# Altium PCB SolderingStation.PcbDoc (part 1 of 2) (continued)
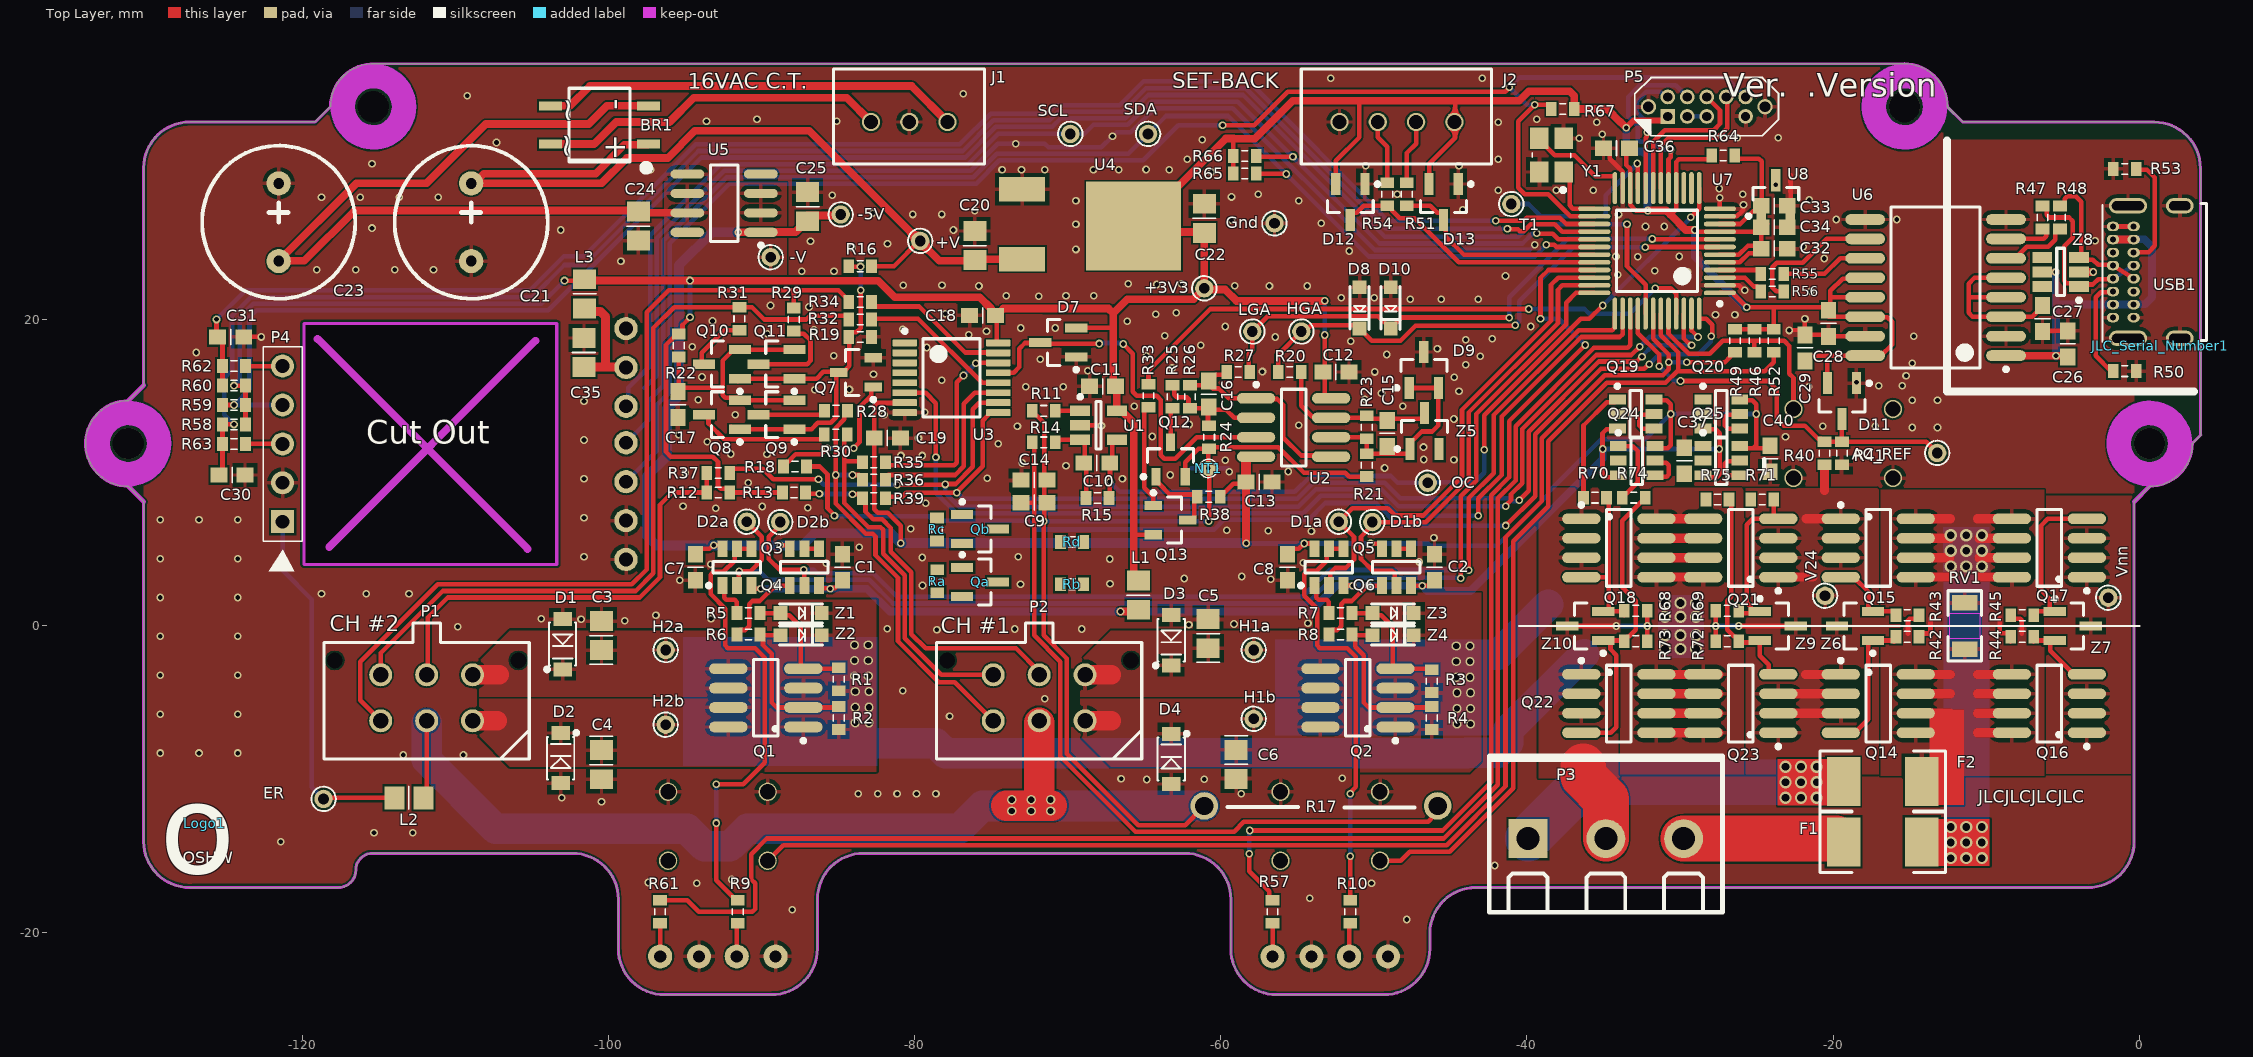
[diagram p0: Top Layer view]
## Footprints (in the part's own frame and the unit in brackets; to place one, negate y for a bottom-side part, rotate by r counter-clockwise, add the part's x,y. Pads: shape width x height; smd on the part's side, far side on the other; paste and mask are expansions set on the pad)
CC2012-0805 [mm]
  rect 1.3x1.5 smd: 1(-0.95,0) 2(0.95,0)
  silkscreen extent -1.87,-0.75 0,0.75, body extent -1,-0.62 1,0.63, height 0.78
CCNP1608-0603 [mm]
  rect 1.1x1 smd: 1(-0.85,0) 2(0.85,0)
  silkscreen extent 0,-0.5 0,0.5, body extent -0.8,-0.4 0.8,0.4, height 0.3
CCNP2012-0805 [mm]
  rect 1.3x1.5 smd: 1(-0.95,0) 2(0.95,0)
  silkscreen extent 0,-0.75 0,0.75, body extent -1,-0.62 1,0.63, height 0.78
CF6125-2410_M [mm] "SMT Fuse"
  rect 2.2x3.2 smd: 1(-2.55,0) 2(2.55,0)
  silkscreen extent -4.1,-2 4.1,2, body extent -3.05,-1.27 3.05,1.27, height 2.54
CR1608-0603_N [mm]
  rect 0.7x0.9 smd: 1(-0.75,0) 2(0.75,0)
  silkscreen extent -0.2,-0.35 0.2,0.35, body extent -0.85,-0.4 0.85,0.4, height 0.56
Crystal_SMD_3.2x2.5 [mm] "Crystal SMT low profile 3.2 x 2.5 SMD"
  rect 1.4x1.2 smd: 1(-1.1,-0.8) 2(1.1,-0.8) 3(1.1,0.8) 4(-1.1,0.8)
  silkscreen extent -2.39,-1.25 0.15,1.25, body extent -1.55,-1.24 1.65,1.26, height 0.7
FB2012-0805 [mm] "Ferrite Bead 0805"
  rect 1.3x1.5 smd: 1(-0.95,0) 2(0.95,0)
  silkscreen extent 0,-0.75 0,0.75, body extent -1,-0.62 1,0.63, height 0.85
HDR1X5S [mm] "Header; 5 Position; Straight"
  rect 1.5x1.5 hole 0.9: 1(0,0)
  round 1.5 hole 0.9: 2(2.54,0) 3(5.08,0) 4(7.62,0) 5(10.16,0)
  silkscreen extent -3.24,-1.27 11.43,1.27, body extent -1.27,-1.27 11.43,1.27, height 6
JLC_Serial_Number [mm] "JLC Serial Number"
JST-B3B-XH-AX [mm] "JST 3-pin connector PCB mount"
  round 1.2 hole 0.9: 1(-2.5,0) 2(0,0) 3(2.5,0)
  silkscreen extent -4.92,-3.45 4.95,2.75, body extent -4.95,-3.37 4.95,2.72, height 7
jst-b4b-xh-ax [mm] "JST 4-pin connector PCB mount"
  round 1.2 hole 0.9: 1(-3.75,0) 2(-1.25,0) 3(1.25,0) 4(3.75,0)
  silkscreen extent -6.17,-3.45 6.25,2.75, body extent -6.2,-3.37 6.2,2.72, height 7
"LED3MM-GREEN - 10MM PROUD" [mil] "LED 3mm through-hole"
  round 62 hole 31.5: A(-50,0) K(50,0)
  silkscreen extent -58,-75 53,75, body extent -75,-75 63,75, height 413
"LED3MM-RED - 10MM PROUD" [mil] "LED 3mm through-hole"
  round 62 hole 31.5: A(-50,0) K(50,0)
  silkscreen extent -58,-75 53,75, body extent -75,-75 63,75, height 413
MB1S [mm] "Bridge Rectifier Diode, Single Phase, 100 V, 800 mA, SOIC, 1.1 V, 4 Pins"
  rect 1.5x0.6 smd: 1(-3.2,1.25) 2(-3.2,-1.25) 3(3.2,-1.25) 4(3.2,1.25)
  silkscreen extent -3.25,-2.4 2,2.99, body extent -3.5,-2.35 3.5,2.35, height 2.4
MOLEX-39544-3003 [mm] "Wire-To-Board Terminal Block"
  rect 2.54x2.54 hole 1.5: 1(0,0)
  round 2.54 hole 1.5: 2(0,5.08) 3(0,10.16)
  silkscreen extent -5.4,-2.54 4.83,12.7, body extent -5.08,-2.54 4.83,12.7, height 14.6
MOLEX-43045-0612 [mm] "Wire-To-Board Connector, With Polarizing Peg, 3 mm, 6 Contacts, Header, Micro-Fit 3.0 43045 Series"
  round 0.8 hole 1.02: 0(-6,2.44) 0(6,2.44)
  round 1.5 hole 1.02: 1(3,-1.5) 2(0,-1.5) 3(-3,-1.5) 4(3,1.5) 5(0,1.5) 6(-3,1.5)
  silkscreen extent -6.7,-4 6.7,4.9, body extent -6.57,-3.94 6.58,4.83, height 9.95
NETTIEVIA [mm] "Net Tie (Short)"
  round 1 smd far side: 1(0,0)
  round 1 smd: 2(0,0)
  silkscreen extent -0.6,-0.6 0.6,0.6
OAR3-R050FI [mm] "Current Sense Resistor, 0.05 ohm, OAR Series, 3 W, Metal Strip, Radial Leaded, ± 1%"
  round 1.8 hole 1.2: 1(-7.62,0) 2(7.62,0)
  body extent -8.25,-0.82 8.23,0.83, height 24.21
"OLED_Display_128x64_2.4inch - no mounting holes" [mm] "2.4 inch OLED Display"
  round 1.524 hole 0.9: 1(-33.5,7.572) 2(-33.5,5.032) 3(-33.5,2.492) 4(-33.5,-0.048) 5(-33.5,-2.428) 6(-33.5,-4.968) 7(-33.5,-7.508)
  silkscreen extent -36,-21.5 36,21.5, body extent -35.99,-21.45 36.01,21.55, height 6.4
OSHW [mm] "OSHW Logo"
"PCBPIN - 0.7mm" [mm]
  round 1.2 hole 0.7: 1(0,0)
  silkscreen extent -0.8,-0.8 0.8,0.8
RB5/10x13mm [mil]
  round 62 hole 28: 1(-100,0) 2(100,0)
  silkscreen extent -197,-197 197,197, body extent -197,-197 197,197, height 512
SO-8_M [mm] "8-Pin Small Outline Integrated Circuit 1.27 mm Pitch, IPC Low Density"
  oval 0.7x2.5 smd: 1(-1.905,-2.45) 2(-0.635,-2.45) 3(0.635,-2.45) 4(1.905,-2.45) 5(1.905,2.45) 6(0.635,2.45) 7(-0.635,2.45) 8(-1.905,2.45)
  silkscreen extent -2.93,-2.57 2.5,0.8, body extent -2.5,-3.1 2.5,3.1, height 1.75
SOD-123FL [mil] "SOD-123-Flat , 2-Leads, Body 2.7x1.65mm"
  rect 36x48 smd: A(64.5,0) K(-64.5,0)
  silkscreen extent -70,-35 55,45, body extent -71,-32 71,32, height 37
SOD-323 [mm]
  rect 0.9x0.9 smd: A(1.347,0.004) K(-1.353,0.004)
  silkscreen extent -1.4,-0.6 1.4,0.64, body extent -1.35,-0.62 1.35,0.63, height 1.1
SOIC127P600-8M [mm] "SOIC, 8-Leads, Body 4.9x3.9mm, Pitch 1.27mm, IPC Low Density"
  oval 2.5x0.7 smd: 1(-2.45,1.905) 2(-2.45,0.635) 3(-2.45,-0.635) 4(-2.45,-1.905) 5(2.45,-1.905) 6(2.45,-0.635) 7(2.45,0.635) 8(2.45,1.905)
  silkscreen extent -2.57,-2.5 0.8,2.93, body extent -3.06,-2.5 3.14,2.5, height 1.75
SOIC127P600-8N [mm] "SOIC, 8-Leads, Body 4.9x3.9mm, Pitch 1.27mm, IPC Medium Density"
  oval 0.6x2.2 smd: 1(-1.905,-2.4) 2(-0.635,-2.4) 3(0.635,-2.4) 4(1.905,-2.4) 5(1.905,2.4) 6(0.635,2.4) 7(-0.635,2.4) 8(-1.905,2.4)
  silkscreen extent -2.88,-2.53 2.5,0.9, body extent -2.5,-3.06 2.5,3.14, height 1.75
SOIC127P1030-16M [mm] "SOIC, 16-Leads, Body 10.3x7.5mm, Pitch 1.27mm, IPC Low Density"
  oval 2.6x0.7 smd: 1(-4.6,4.445) 2(-4.6,3.175) 3(-4.6,1.905) 4(-4.6,0.635) 5(-4.6,-0.635) 6(-4.6,-1.905) 7(-4.6,-3.175) 8(-4.6,-4.445) 9(4.6,-4.445) 10(4.6,-3.175) 11(4.6,-1.905) 12(4.6,-0.635) 13(4.6,0.635) 14(4.6,1.905) 15(4.6,3.175) 16(4.6,4.445)
  silkscreen extent -4.72,-5.25 2.9,5.47, body extent -5.31,-5.25 5.32,5.25, height 2.62
SOT23-5_M [mm] "SOT23, 5-Leads, Body 2.9x1.6mm, Pitch 0.95mm, Lead Span 2.7mm, IPC Low Density"
  rect 1.3x0.7 smd: 1(1.2,-0.95) 2(1.2,0) 3(1.2,0.95) 4(-1.2,0.95) 5(-1.2,-0.95)
  silkscreen extent -0.15,-1.97 1.32,1.55, body extent -1.4,-1.45 1.4,1.45, height 1.45
SOT23_M [mm] "SOT23, 3-Leads, Body 2.9x1.3mm, Pitch 0.95mm, Lead Span 2.3mm - IPC Low Density"
  rect 1.45x0.6 smd: 1(1.175,-0.95) 2(1.175,0.95) 3(-1.175,0)
  silkscreen extent -0.7,-1.9 1.29,1.5, body extent -1.25,-1.5 1.25,1.5, height 1.05
SOT23_N [mm] "SOT23, 3-Leads, Body 2.9x1.3mm, Pitch 0.95mm, Lead Span 2.3mm - IPC Medium Density"
  rect 1.15x0.6 smd: 1(1.125,-0.95) 2(1.125,0.95) 3(-1.125,0)
  silkscreen extent -0.7,-1.9 1.25,1.5, body extent -1.25,-1.5 1.25,1.5, height 1.05
"SOT457_M - 180" [mm] "SOT23, 6-Leads, Body 2.9x1.5mm, Pitch 0.95mm, Lead Span 2.8mm, IPC Low Density"
  rect 1.3x0.7 smd: 1(1.2,-0.95) 2(1.2,0) 3(1.2,0.95) 4(-1.2,0.95) 5(-1.2,0) 6(-1.2,-0.95)
  silkscreen extent -0.25,-1.97 1.33,1.55, body extent -1.5,-1.4 1.34,1.5, height 1.21
SOT457_N [mm] "SOT23, 6-Leads, Body 2.9x1.5mm, Pitch 0.95mm, Lead Span 2.8mm, IPC Medium Density"
  rect 1.1x0.65 smd: 1(-1.2,0.95) 2(-1.2,0) 3(-1.2,-0.95) 4(1.2,-0.95) 5(1.2,0) 6(1.2,0.95)
  silkscreen extent -1.32,-1.55 0.38,1.95, body extent -1.34,-1.5 1.5,1.4, height 1.21
"SPACER-2MM DIA X 6MM" [mm]
  round 2 hole 2.05: 0(0,0)
  Top Layer keep-out circle w1.6: c0,0 r2
  Bottom Layer keep-out circle w1.6: c0,0 r2
  silkscreen extent -3,-3 3,3, body extent -3,-3 3,3, height 6
SW-CAP-B32-2010 [mm] "Switch cap for small push-button switch 6mm dia."
  silkscreen extent -3,-3 3,3, body extent -3,-3 3,3, height 10
SW_MIN_PB-B3F1052 [mm] "Miniature PCB Push Button projected plunger"
  round 1.2 hole 1: 1(3.25,-2.25) 1b(-3.25,-2.25) 2(3.25,2.25) 2b(-3.25,2.25)
  silkscreen extent -3,-2.77 3,2.78, body extent -3.85,-3 3.85,3, height 6.7
SWD-2x5-Jig-Header [mm] "Connector; SWD; 2x5 Position"
  round 1 hole 0.7: 0(-1.27,0.635) 0(6.35,0.635)
  rect 0.96x0.96 hole 0.6: 1(0,0)
  round 0.96 hole 0.6: 2(0,1.27) 3(1.27,0) 4(1.27,1.27) 5(2.54,0) 6(2.54,1.27) 8(3.81,1.27) 9(5.08,0) 10(5.08,1.27)
  silkscreen extent -2.16,-1.26 7.24,2.53, body extent -0.63,-1.09 5.72,2.31, height 4.5
TO-252 [mm] "TO-252 Package"
  rect 3x1.6 smd: 1(3.64,-2.285) 3(3.64,2.285)
  rect 6.2x5.8 smd: 4(-3.64,0.127)
  body extent -5.71,-3.14 4.23,3.4, height 2.29
TSQFP50P900X900-48M [mm] "Thin QFP, 48-Leads, Body 7x7mm, Pitch 0.5mm, IPC Low Density"
  oval 0.3x2.1 smd: 1(-2.75,-4.1) 2(-2.25,-4.1) 3(-1.75,-4.1) 4(-1.25,-4.1) 5(-0.75,-4.1) 6(-0.25,-4.1) 7(0.25,-4.1) 8(0.75,-4.1) 9(1.25,-4.1) 10(1.75,-4.1) 11(2.25,-4.1) 12(2.75,-4.1) 25(2.75,4.1) 26(2.25,4.1) 27(1.75,4.1) 28(1.25,4.1) 29(0.75,4.1) 30(0.25,4.1) 31(-0.25,4.1) 32(-0.75,4.1) 33(-1.25,4.1) 34(-1.75,4.1) 35(-2.25,4.1) 36(-2.75,4.1)
  oval 2.1x0.3 smd: 13(4.1,-2.75) 14(4.1,-2.25) 15(4.1,-1.75) 16(4.1,-1.25) 17(4.1,-0.75) 18(4.1,-0.25) 19(4.1,0.25) 20(4.1,0.75) 21(4.1,1.25) 22(4.1,1.75) 23(4.1,2.25) 24(4.1,2.75) 37(-4.1,2.75) 38(-4.1,2.25) 39(-4.1,1.75) 40(-4.1,1.25) 41(-4.1,0.75) 42(-4.1,0.25) 43(-4.1,-0.25) 44(-4.1,-0.75) 45(-4.1,-1.25) 46(-4.1,-1.75) 47(-4.1,-2.25) 48(-4.1,-2.75)
  silkscreen extent -3.57,-4.22 2.65,2.65, body extent -4.5,-4.55 4.5,4.45, height 1.6
TSSOP16_M [mm] "SOP, 16-Leads, Body 5.1x4.5mm, Pitch 0.65mm, IPC Low Density"
  rrect22% 1.6x0.45 smd: 1(-3.05,2.275) 2(-3.05,1.625) 3(-3.05,0.975) 4(-3.05,0.325) 5(-3.05,-0.325) 6(-3.05,-0.975) 7(-3.05,-1.625) 8(-3.05,-2.275) 9(3.05,-2.275) 10(3.05,-1.625) 11(3.05,-0.975) 12(3.05,-0.325) 13(3.05,0.325) 14(3.05,0.975) 15(3.05,1.625) 16(3.05,2.275)
  silkscreen extent -3.17,-2.55 1.85,3.17, body extent -3.2,-2.5 3.2,2.5, height 1.1
USB4085-GF-A [mm] "USB-C Connector"
  oval 0.8x0.62 hole 0.4: A1(2.18,2.975) A4(2.18,2.125) A5(2.18,1.275) A6(2.18,0.425) A7(2.18,-0.425) A8(2.18,-1.275) A9(2.18,-2.125) A12(2.18,-2.975) B1(0.83,-2.975) B4(0.83,-2.125) B5(0.83,-1.275) B6(0.83,-0.425) B7(0.83,0.425) B8(0.83,1.275) B9(0.83,2.125) B12(0.83,2.975)
  oval 1.8x1 hole 0.6 slot 1.4 at 0 deg: SH(-2.18,4.325) SH(-2.18,-4.325)
  oval 2.5x1 hole 0.6 slot 2.1 at 0 deg: SH(1.2,4.325) SH(1.2,-4.325)
  silkscreen extent -3.92,-4.47 2.88,4.57, body extent -6.41,-4.52 2.76,4.51, height 3.46
VR3216-1206 [mm] "Varistor 1206"
  rect 1.02x1.65 smd: 1(-1.52,0) 2(1.52,0)
  Top Layer keep-out region: -0.8,-1 0.8,-1 0.8,1 -0.8,1
  silkscreen extent -2.3,-1.1 2.3,1.1, body extent -1.6,-0.85 1.6,0.85, height 1.86

## Part data
+3V3 +V -5V -V AC_REF D1a D1b D2a D2b ER Gnd H1a H1b H2a H2b HGA LGA OC SCL SDA T1 V24 Vnn: library part TP, "Test Point"
BR1: "Bridge Rectifier Diode, Single Phase, 100 V, 800 mA, SOIC, 1.1 V, 4 Pins", LCSC=C232821
C1 C2 C7 C8 C9 C11 C12 C13 C14 C17 C18 C19 C26 C27 C28 C29 C33 C34 C36 C37 C40: library part Cap_CCNP_0603, "Capacitor non-polar SMT 0603", LCSC=C14663, Manufacturer="Generic Components", Class=Passive, Published=08/06/2000, Publisher="Altium Hobart Technology Centre", SubClass=Capacitor
C3 C4 C5 C6: library part Cap_CC_0805, "Capacitor SMT 0805", Manufacturer="Generic Components", Class=Passive, Published=08/06/2000, Publisher="Altium Hobart Technology Centre", SubClass=Capacitor
C10 C15 C16: library part Cap_CCNP_0603, "Capacitor non-polar SMT 0603", LCSC=C14858, Manufacturer="Generic Components", Class=Passive, Published=08/06/2000, Publisher="Altium Hobart Technology Centre", SubClass=Capacitor
C20: library part Cap_CCNP_0805, "Capacitor non-polar SMT 0805", LCSC=C49678, Manufacturer="Generic Components", Class=Passive, Published=08/06/2000, Publisher="Altium Hobart Technology Centre", SubClass=Capacitor
C21 C23: library part Cap-RB5/10x16MM
C22 C25 C35: library part Cap, "Capacitor", LCSC=C15850, Manufacturer="Generic Components", Class=Passive, Published=08/06/2000, Publisher="Altium Hobart Technology Centre", SubClass=Capacitor
C24: library part Cap_CCNP_0805, "Capacitor non-polar SMT 0805", LCSC=C49217, Manufacturer="Generic Components", Class=Passive, Published=08/06/2000, Publisher="Altium Hobart Technology Centre", SubClass=Capacitor
C30 C31: library part Cap_CCNP_0603, "Capacitor non-polar SMT 0603", LCSC=C1588, Manufacturer="Generic Components", Class=Passive, Published=08/06/2000, Publisher="Altium Hobart Technology Centre", SubClass=Capacitor
C32: library part Cap, "Capacitor", LCSC=C23630, Manufacturer="Generic Components", Class=Passive, Published=08/06/2000, Publisher="Altium Hobart Technology Centre", SubClass=Capacitor
D1 D2 D3 D4: "Diodes - General Purpose, 1kV 1A 1.1V 1A SOD-123FL", LCSC=C64898, Class=Discrete, SubClass="Diode - Switching"
D5 D6: library part LED_3MM_GREEN, "3mm Green LED", Manufacturer="Generic Components", Class I=Optoelectronic, Class II=LED, Published=8-Jun-2000, Publisher="Altium Limited", Revision="July-2002: Re-released for DXP Platform."
D7 D9 D11 D12 D13: "Dual Series low-leakage switching diodes, 3-Pin SOT-23", LCSC=C145516, Digikey=BAV199LT1GOSCT-ND, Farnell PN=1431115
D8 D10: "Switching Diode 100V 150mA 1.25V@150mA 4ns SOD-323", LCSC=C2128, Class=Discrete, Farnell PN=2675146, SubClass="Diode - Switching"
D14 D15: library part LED_3MM_RED, "3mm Red LED", Manufacturer="Generic Components", Class I=Optoelectronic, Class II=LED, Published=8-Jun-2000, Publisher="Altium Limited", Revision="July-2002: Re-released for DXP Platform."
F1 F2: "Fuse, Surface Mount, 10 A, Slow Blow, 50 VAC, 75 VDC, 2410 (6125 Metric), 0680L Series", Digikey=507-1415-ND
J1: library part JST-B3B-XH-A, Digikey=455-2248-ND, Farnell PN=1516277, LatestRevisionDate=17-Jul-2002, LatestRevisionNote="Re-released for DXP Platform.", Publisher="Altium Limited"
J2: library part JST-B4B-XH-A, Digikey=455-2249-ND, Farnell PN=1516278, LatestRevisionDate=17-Jul-2002, LatestRevisionNote="Re-released for DXP Platform.", Publisher="Altium Limited"
L1 L2 L3: library part "Ferrite Bead 0805", "Ferrite Bead SMT 0805, TDK MPZ2012S102AT, 0.15OHM, 1.5A", LCSC=C1017, Farnell PN=1669733
OLED1: library part OLED_Display_128x64_2.4inch, "OLED Display 128x64 pixels, 2.4inch"
P1 P2: "Wire-To-Board Connector, With Polarizing Peg, 3 mm, 6 Contacts, Header, Micro-Fit 3.0 43045 Series", Farnell PN=1012248
P3: "MULTICOMP MC24367 Wire-To-Board Terminal Block"
P4: library part "Header 1x5", LatestRevisionDate=17-Jul-2002, LatestRevisionNote="Re-released for DXP Platform.", Publisher="Altium Limited"
P5: library part SWD2X5_JIG, Farnell PN=1865285, LatestRevisionDate=17-Jul-2002, LatestRevisionNote="Re-released for DXP Platform.", Publisher="Altium Limited"
Q1 Q2: "P-Channel dual MOSFET, 40 V, 7.6 A, 0.018 ohm, SOIC, Surface Mount", Farnell=2543521
Q3 Q4 Q5 Q6 Q19 Q20 Q24 Q25: "Pre-Biased NPN and PNP pair, 50 V, 100 mA, 22 kohm, 22 kohm", Farnell PN=1680329
Q7: "General Purpose Transistor, NPN Silicon, 3-Pin SOT-23, Pb-Free, Tape and Reel", LCSC=C20526, Manufacturer="On Semiconductor", ComponentLink1Description="Manufacturer URL", ComponentLink1URL=http://www.onsemi.com/, ComponentLink2Description=Datasheet, ComponentLink2URL=http://www.onsemi.cn/pub_link/Collateral/MMBT3904LT1-D.PDF, ComponentLink3Description="Package Specification", ComponentLink3URL=http://www.onsemi.cn/pub_link/Collateral/318-08.PDF, DatasheetVersion="Rev. 12", fT Min (MHz)=300, IC Continuous (A)=0.2, Mounting Technology="Surface Mount", PackageDescription="3-Pin Small Outline Transistor, Body 2.92 x 1.3 mm, Pitch 0.95 mm", PackageReference=SOT-23-3-318-08, PackageVersion="Rev. AP, 11/2009", Packing="Tape and Reel", PartNumber=MMBT3904LT1G, Polarity=NPN, RoHS=TRUE
Q8 Q9 Q10 Q11: "P-Channel Enhancement Mode FET -0.13 A, -50 V,  RDS(ON) = 10R at VGS = -5 V", LCSC=C8492
Q12: "N-channel enhancement mode FET, , 30 V, 850 mA, 0.4 ohm, SOT23", LCSC=C88711, ComponentLink1Description="Manufacturer Link", ComponentLink1URL=http://www.zetex.com/, ComponentLink2Description=Datasheet, ComponentLink2URL=www.zetex.com/3.0/pdf/BSS138.pdf, Farnell PN=1081307, PackageDescription="SOT-23; 3 Leads; Body 3.1 x 2.5 mm, inc. leads (LxW max), Alternate Lead Configuration"
Q13: "General Purpose Transistor, PNP Silicon, 3-Pin SOT-23, Pb-Free, Tape and Reel", LCSC=C53444, Manufacturer="On Semiconductor", ComponentLink1Description="Manufacturer URL", ComponentLink1URL=http://www.onsemi.com/, ComponentLink2Description=Datasheet, ComponentLink2URL=http://www.onsemi.cn/pub_link/Collateral/MMBT3906LT1-D.PDF, ComponentLink3Description="Package Specification", ComponentLink3URL=http://www.onsemi.cn/pub_link/Collateral/318-08.PDF, DatasheetVersion="Rev. 11", fT Min (MHz)=250, IC Continuous (A)=-0.2, Mounting Technology="Surface Mount", PackageDescription="3-Pin Small Outline Transistor, Body 2.92 x 1.3 mm, Pitch 0.95 mm", PackageReference=SOT-23-3-318-08, PackageVersion="Rev. AP, 11/2009", Packing="Tape and Reel", PartNumber=MMBT3906LT1G, Polarity=PNP, RoHS=TRUE
Q14 Q15 Q18 Q21 Q22 Q23: "P-Channel Power MOSFET, 11 A, 40 V, RDS(ON) = 0.013 ohm @ VGS = -10   VRDS(ON) = 0.017 ohm @ VGS =   -4.5 VC", Drain-Source On Resistance-Max=13mO, Drain-to-Source Voltage [Vdss]=40V, Manufacturer="Fairchild Semiconductor", Package Description="8-Pin Small Outline Integrated Circuit, Body 4.9 x 3.9 mm, Pitch 1.27 mm", Package Reference=SO-8, Package Version="Rev. 16, 08/2015", Rated Power Dissipation=2.4W, Temperature=25, Channel Type=P-Channel, Datasheet URL=https://www.fairchildsemi.com/datasheets/FD/FDS4675.pdf, Datasheet Version="Rev. C(W), 02/2001", Manufacturer URL=https://www.fairchildsemi.com/, Mounting Technology=SurfaceMount, Package URL=https://www.fairchildsemi.com/package-drawings/M0/M08A.pdf, Qg Gate Charge=56nC
Q16 Q17: "N-Channel Power MOSFET, 11 A, 40 V. RDS(ON)  = .013 ohm @ VGS = 4.5 V", Drain-Source On Resistance-Max=13mO, Drain-to-Source Voltage [Vdss]=40V, LCSC=C725034, Manufacturer="Fairchild Semiconductor", Package Description="8-Pin Small Outline Integrated Circuit, Body 4.9 x 3.9 mm, Pitch 1.27 mm", Package Reference=SO-8, Package Version="Rev. 16, 08/2015", Rated Power Dissipation=2.4W, Channel Type=P-Channel, Datasheet URL=https://www.fairchildsemi.com/datasheets/FD/FDS4675.pdf, Datasheet Version="Rev. C(W), 02/2001", Manufacturer URL=https://www.fairchildsemi.com/, Mounting Technology=SurfaceMount, Package URL=https://www.fairchildsemi.com/package-drawings/M0/M08A.pdf, Qg Gate Charge=56nC
Qa Qb: library part MMBT3904LT1G, "SOT23", ComponentLink1Description="Manufacturer URL", ComponentLink1URL=http://www.onsemi.com/, ComponentLink2Description=Datasheet, ComponentLink2URL=http://www.onsemi.cn/pub_link/Collateral/MMBT3904LT1-D.PDF, ComponentLink3Description="Package Specification", ComponentLink3URL=http://www.onsemi.cn/pub_link/Collateral/318-08.PDF
R1 R2 R3 R4 R5 R6 R7 R8 R65 R66 R68 R69 R70 R71 R72 R73 R74 R75: library part Res_CR0603, "Resistor SMT 0603", LCSC=C23162, Manufacturer="Generic Components", Class=Passive, Published=08/06/2000, Publisher="Altium Hobart Technology Centre", SubClass=Resistor
R9 R10 R57 R61: library part Res_CR0603, "Resistor SMT 0603", LCSC=C23179, Manufacturer="Generic Components", Class=Passive, Published=08/06/2000, Publisher="Altium Hobart Technology Centre", SubClass=Resistor
R11 R12 R13 R14 R16 R18 R24 R26 R32 R33 R34 R35 R36 R37 R39 R46 R49 R52 R58 R59 R60 R67: library part Res_CR0603, "Resistor SMT 0603", LCSC=C25804, Manufacturer="Generic Components", Class=Passive, Published=08/06/2000, Publisher="Altium Hobart Technology Centre", SubClass=Resistor
R15: library part Res_CR0603, "Resistor SMT 0603", LCSC=C23196, Manufacturer="Generic Components", Class=Passive, Published=08/06/2000, Publisher="Altium Hobart Technology Centre", SubClass=Resistor
R17: "Current Sense Resistor, 0.05 ohm, OAR Series, 3 W, Metal Strip, Radial Leaded, 1%"
R19 R28 R29 R30 R31 R38: library part Res_CR0603, "Resistor SMT 0603", LCSC=C31850, Manufacturer="Generic Components", Class=Passive, Published=08/06/2000, Publisher="Altium Hobart Technology Centre", SubClass=Resistor
R20 R27: library part Res_CR0603, "Resistor SMT 0603", LCSC=C21189, Manufacturer="Generic Components", Class=Passive, Published=08/06/2000, Publisher="Altium Hobart Technology Centre", SubClass=Resistor
R21 R51 R54 R64: library part Res_CR0603, "Resistor SMT 0603", LCSC=C21190, Manufacturer="Generic Components", Class=Passive, Published=08/06/2000, Publisher="Altium Hobart Technology Centre", SubClass=Resistor
R22: library part Res_CR0603, "Resistor SMT 0603", LCSC=C22775, Manufacturer="Generic Components", Class=Passive, Published=08/06/2000, Publisher="Altium Hobart Technology Centre", SubClass=Resistor
R23: library part Res_CR0603, "Resistor SMT 0603", LCSC=C23206, Manufacturer="Generic Components", Class=Passive, Published=08/06/2000, Publisher="Altium Hobart Technology Centre", SubClass=Resistor
R25 R50 R53: library part Res_CR0603, "Resistor SMT 0603", LCSC=C23186, Manufacturer="Generic Components", Class=Passive, Published=08/06/2000, Publisher="Altium Hobart Technology Centre", SubClass=Resistor
R40: library part Res_CR0603, "Resistor SMT 0603", LCSC=C22809, Manufacturer="Generic Components", Class=Passive, Published=08/06/2000, Publisher="Altium Hobart Technology Centre", SubClass=Resistor
R41 R42 R43 R44 R45: library part Res_CR0603, "Resistor SMT 0603", LCSC=C23159, Manufacturer="Generic Components", Class=Passive, Published=08/06/2000, Publisher="Altium Hobart Technology Centre", SubClass=Resistor
R47 R48 R55 R56 R62 R63: library part Res_CR0603, "Resistor SMT 0603", LCSC=C23140, Manufacturer="Generic Components", Class=Passive, Published=08/06/2000, Publisher="Altium Hobart Technology Centre", SubClass=Resistor
Ra Rb Rc Rd: library part Res_CR0603, "Resistor SMT 0603", Manufacturer="Generic Components", Class=Passive, Published=08/06/2000, Publisher="Altium Hobart Technology Centre", SubClass=Resistor
RV1: "V33MLA1206NH - TVS Varistor, 26 V, 33 V, MLA Series, 75 V, 1206 [3216 Metric], Multilayer Varistor (MLV)", Manufacturer="Generic Components", Class=Passive, Digikey=F11298CT-ND, Farnell PN=1816942, Published=08/06/2000, Publisher="Altium Hobart Technology Centre", SubClass=Resistor
S1 S2 S3: "Switch miniature push-button", Manufacturer="Generic Components", Farnell PN=196094202, Published=24-Mar-1999, Publisher="Altium Limited", Revision="July-2002: Re-released for DXP Platform."
SC1 SC2 SC3: library part "Switch-Cap - B32-2010", "Switch Cap", Farnell PN=2352313
SP1 SP2 SP3 SP4: library part Spacer-6mm
U1: "Op-Amp, Single supply R-R in/out", LCSC=C21403
U2: "Dual Precision,Rail-to-Rail Input and Output, 4.5-24V, Zero-Drift OperationalAmplifier"
U3: "Analog Multiplexer / Demultiplexer, 4:1, 2 Circuits, 225 ohm, 2V to 10V, TSSOP-16", LCSC=C547006, Farnell PN=2445305
U4: "IC REG LINEAR +3V3 1A TO252-3", LCSC=C152529, Digikey=NCP1117DT33T5GOSCT-ND, Farnel=2464254
U5: "IC REG LINEAR -5V 100MA SOIC-8", LCSC=C154823, Digikey=UA79M05CKVURG3, Farnell PN=3122804
U6: "Full/Low Speed 5 kV USB Digital Isolator", Farnell PN=2061081
U7: "Kinetis K20: 50MHz Cortex-M4 Performance MCU, 160KB Flash, 16KB SRAM, Full-Speed USB, 48-LQFP", Digikey=MK20DX128VLF50-ND, Farnell PN=2133571, Mouser=841-MK20DX128VLF5
U8: library part LM4040BIM3-2.5/NOPB, "IC 2.5V VREF SHUNT 0.2% SOT23-3", LCSC=C131939, Digikey=LM4040BIM3X-2.5/NOPBCT-ND, Farnell PN=3124419
USB1: "USB-C, USB 2.0 Receptacle Connector 16 Position Through Hole, Right Angle", Digikey Part Number=2073-USB4085-GF-ACT-ND, Angle=90, Digikey=2073-USB4085-GF-ACT-ND, Digikey Link=https://www.digikey.ee/product-detail/en/gct/USB4085-GF-A/2073-USB4085-GF-ACT-ND/9859733, Farnell PN=2924867, Part Number=USB4085-GF-A
Y1: library part "Crystal 16MHz", "Crystal SMD 3.2 x 2.5 x 0.7 mm", LCSC=C13738, Manufacturer="Generic Components", Class=Oscillator, Published=08/06/2000, Publisher="Altium Hobart Technology Centre", SubClass="Crystal Oscillator"
Z1 Z2 Z3 Z4: "Surface Mount Zener Diode, 12-13 V, -65 to 150 degC, SOD-123", LCSC=C124208
Z5: "Zener Diode, 3.9V, 250mW, SOT-23, 1%, 150C", Manufacturer="Generic Components", Class=Discrete, Farnell PN=2528857, Published=08/06/2000, Publisher="Altium Hobart Technology Centre", SubClass="Diode - Switching"
Z6 Z9 Z10: library part DZ23Cxx, "Dual silicon planar Zener diodes"
Z7: library part AZ23Cxx, "Dual silicon planar Zener diodes"
Z8: "Ultra low capacitance quadruple rail-to-rail ESD protection", LCSC=C393377, Digikey=CM1293A-04SOOSCT-ND, Farnell PN=2533258

## Via types
v1: diameter 0.5, hole 0.3, Top Layer to Bottom Layer, tented both sides, 406 vias
v2: diameter 0.8, hole 0.5, Top Layer to Bottom Layer, tented both sides, 39 vias
v3: diameter 0.6, hole 0.4, Top Layer to Bottom Layer, tented both sides, 30 vias
v4: diameter 0.75, hole 0.3, Top Layer to Bottom Layer, tented both sides, 1 vias

## Nets (pads, with @x,y where several pads share a name; then routed paths per layer and width w, separated by ;. In a path a pad name is that pad's centre, name@x,y a point inside that pad or via, vN(x,y) a via of type N, cw(c..) or ccw(c..) an arc to the next point about the centre after c; other vN are vias at no path point)
5V_USB: C26.2 U6.1 USB1.A4 USB1.A9 USB1.B4 USB1.B9 Z8.5 | length 24.4
  Top Layer w0.3: Z8.5@-6.345,23.122 v1(-5.456,23.122)
  Top Layer w0.508: U6.1@-8.811,17.661 -8.794,17.644 C26.2@-4.82,17.644 ; C26.2@-4.855,17.608 C26.2@-4.82,17.644 ; C26.2@-4.802,17.661 C26.2@-4.82,17.644 ; C26.2@-4.794,17.644 C26.2@-4.82,17.644 ; USB1.A9@-1.723,25.242 USB1.B4@-0.374,25.242
  Bottom Layer w0.508: v1(-5.456,23.122) -5.456,20.817 ; v1@-5.449,17.608 -5.449,20.81 -5.456,20.817 ; USB1.A9@-1.723,25.242 USB1.B4@-0.374,25.242 ; USB1.B9@-0.374,20.992 USB1.A4@-1.723,20.992 -5.281,20.992 -5.456,20.817 ; USB1.B9@-0.352,21.014 0.366,21.014 0.824,21.471 0.824,24.773 0.333,25.264 USB1.B4@-0.352,25.264
  other v1: -5.449,17.643
+3V3: +3V3.1 C11.1 C12.1 C18.1 C22.2 C28.2 C29.2 C32.2 C34.2 C36.2 D7.2 D11.2 D12.2 D13.2 J2.1 L1.1 L3.1 P5.1 Q13.2 R12.2 R13.2 R22.1 R46.2 R49.2 R52.2 R58.2 R59.2 R60.2 R64.1 R65.2 R66.2 R67.2 U1.5 U2.8 U3.16 U4.4 U6.12 U6.13 U6.14 U6.16 U7.1 U7.5 U7.6 U7.9 U7.16 U7.22 | length 263.9
  Top Layer w0.3: v1(-124.448,15.703) R60.2@-123.698,15.703 R59.2@-123.698,14.433 R58.2@-123.698,13.163 ; v1(-102.858,22.561) L3.1@-101.549,22.561 ; v1@-94.677,20.161 -94.677,20.137 -95.156,19.658 -95.156,19.268 -95.356,19.068 R22.1@-95.402,19.068 -95.602,18.868 -95.721,18.868 -96.23,18.359 -96.23,11.372 -95.912,11.054 -93.167,11.054 -92.837,10.724 -92.837,9.145 -92.661,8.969 -92.275,8.969 -92.075,8.769 R12.2@-92.075,8.718 R13.2@-88.622,8.718 ; C18.1@-74.703,20.275 -74.635,20.207 U3.16@-74.635,18.486 ; D7.2@-69.437,19.471 -67.021,19.471 ; -65.698,7.32 -65.684,7.32 ; -65.684,6.05 -65.598,5.964 Q13.2@-64.396,5.964 ; R65.2@-59.184,29.546 R66.2@-59.184,30.689 -59.184,31.819 -59.17,31.832 ; v1(-53.213,19.004) -53.213,16.392 C12.1@-53.188,16.367 ; U2.8@-53.202,14.885 C12.1@-53.202,16.352 ; D12.2@-52.488,28.869 -52.488,30.385 -50.941,31.932 -50.941,34.298 ; D13.2@-46.392,28.819 D13.2@-46.392,28.869 -46.392,30.183 -44.692,31.883 -44.692,34.298 ; -43.49,34.281 -43.473,34.298 ; C36.2@-33.301,31.197 -33.504,30.994 -33.504,30.107 -33.253,29.856 -33.253,27.505 -32.881,27.133 v1(-32.119,27.133) ; -30.621,26.854 -30.253,27.221 -30.253,30.304 -30.078,30.48 -28.128,30.48 -27.928,30.68 R64.1@-27.928,30.734 ; v1@-28.881,25.752 C34.2@-24.995,25.752 ; U7.5@-27.453,23.752 -26.102,23.752 -25.499,24.356 -24.993,24.356 C32.2@-24.702,24.646 -24.903,24.847 -25.566,24.847 -26.161,24.252 -26.503,24.252 U7.6@-27.403,24.252 U7.6@-27.453,24.252 ; U7.1@-27.403,21.752 -26.503,21.752 -26.503,21.677 v1(-25.654,20.828) -23.876,20.828 ; R49.2@-26.416,19.373 R46.2@-25.146,19.373 -24.003,19.373 -24.003,19.446 -23.876,19.573 -23.876,20.828 ; C34.2@-24.849,26.275 C34.2@-24.302,26.275 ; C32.2@-24.702,24.72 C34.2@-24.702,26.043 ; C29.2@-21.971,17.184 -21.971,17.234 -21.621,17.584 -21.523,17.584 -21.445,17.661 -20.447,17.661 ; D11.2@-20.381,15.861 -20.381,17.595 -20.447,17.661 ; C28.2@-20.308,20.201 U6.14@-17.911,20.201 -17.883,20.173 -16.458,20.173 -16.154,19.869 -16.154,18.387 -16.88,17.661 U6.16@-17.911,17.661 U6.16@-18.662,17.661 ; U6.16@-18.847,17.477 U6.16@-18.662,17.661 ; U6.12@-18.511,22.741 -18.569,22.684 -19.383,22.684 -20.181,21.886 -20.181,21.545 ; U6.13@-17.911,21.471 -20.107,21.471 -20.181,21.545 ; -23.876,20.828 -20.519,20.828 C28.2@-20.308,20.617 -20.181,20.744 -20.181,21.545 ; -20.447,17.661 U6.16@-18.662,17.661
  Top Layer w0.4: v1(-33.516,32.532) -33.029,33.02 -31.062,33.02 P5.1@-30.799,33.282
  Top Layer w0.5: L3.1@-101.549,22.646 -101.463,22.56 v1(-94.666,22.56) -94.658,22.552 -82.364,22.552 -81.28,21.468 -75.735,21.468 -75.003,20.737 -75.003,20.525 C18.1@-74.954,20.525 ; C18.1@-74.703,20.275 -74.653,20.275 -74.198,20.731 -71.628,20.731 ; -67.335,20.731 -67.021,20.417 -67.021,19.471 -67.021,15.806 C11.1@-66.866,15.651 -66.784,15.569 U1.5@-66.784,14.063 -66.684,13.963 -66.384,13.963 -65.684,13.263 -65.684,7.32 -65.684,6.05 L1.1@-65.684,2.951 ; -59.17,31.832 -57.773,31.832 -55.307,34.298 -50.941,34.298 -44.692,34.298 -43.473,34.298 -40.505,34.298 -39.878,34.925 -37.2,34.925 -36.907,34.632 R67.2@-36.907,33.765 -34.749,33.765 -33.893,32.909 ; -33.815,32.831 v1(-33.516,32.532) ; v1(-32.119,27.133) -30.9,27.133 -30.621,26.854 -29.63,25.863 v1(-29.046,25.863)
  Top Layer w0.508: -71.628,20.731 -67.335,20.731 ; -67.021,20.417 -66.097,21.341 -61.788,21.341 +3V3.1@-61.075,22.053 ; U4.4@-65.309,25.736 -61.136,25.736 C22.2@-61.075,25.675 +3V3.1@-61.075,22.053 ; U4.4@-62.747,28.763 -59.678,31.832 -59.17,31.832 ; v1(-53.213,21.232) -58.975,21.232 -59.713,21.97 -60.992,21.97 +3V3.1@-61.075,22.053 ; C12.1@-53.202,16.352 C12.1@-53.188,16.367 ; -33.893,32.909 -33.815,32.831
  Top Layer w0.635: U2.8@-53.202,14.885 -53.185,14.867 U2.8@-52.839,14.867
  Bottom Layer w0.3: v1(-124.448,15.703) -124.067,16.084 -124.067,20.148 -123.178,21.037 -104.382,21.037 v1(-102.858,22.561) ; v1(-94.666,20.172) v1(-94.666,22.56) ; v1(-53.213,19.004) v1(-53.213,21.232)
  Bottom Layer w0.5: v1(-29.046,25.863) -29.046,24.127 -25.747,20.828 v1(-25.654,20.828)
  Bottom Layer w0.508: v1(-33.516,32.532) -33.516,31.286 -33.219,30.988 -32.418,30.988 -32.119,30.689 v1(-32.119,27.133)
+3V3_I: C1.1 C2.1 C37.1 L1.2 Q3.3 Q4.3 Q5.3 Q6.3 Q19.3 Q20.3 Q24.3 Q25.3 | length 84.2
  Top Layer w0.3: Q3.3@-90.656,2.64 -90.656,2.618 -90.481,2.443 v1(-90.043,2.443) ; Q4.3@-86.248,2.64 -86.248,2.629 -86.073,2.454 -85.508,2.454 v1(-85.496,2.443) -85.458,2.481 -85.183,2.481 -85.074,2.59 -85.059,2.59 -84.709,2.94 C1.1@-84.709,2.99 ; Q5.3@-51.986,2.64 -51.98,2.646 v1@-51.373,2.646 ; Q6.3@-47.578,2.64 -47.559,2.621 v1(-46.838,2.621) -46.389,2.621 -46.039,2.971 C2.1@-46.039,2.99 ; Q19.3@-34.093,12.893 Q19.3@-34.04,12.84 ; Q24.3@-34.05,9.719 -34.873,9.719 -35.065,9.911 -35.065,12.578 -34.803,12.84 Q19.3@-34.032,12.84 ; Q24.3@-34.023,9.718 Q24.3@-34.022,9.719 ; C37.1@-29.718,9.945 C37.1@-29.618,9.845 ; Q20.3@-28.505,12.893 -28.452,12.84 -27.681,12.84 -27.419,12.578 -27.419,9.911 -27.611,9.719 -28.434,9.719 Q25.3@-28.435,9.718
  Top Layer w0.5: v1(-66.548,0.945) L1.2@-65.611,0.945
  Bottom Layer w0.3: v1(-35.052,11.557) v1(-27.432,11.557)
  Bottom Layer w0.5: v1(-90.043,2.443) v1(-85.496,2.443) -83.121,2.443 -81.623,0.945 v1(-66.548,0.945) -54.117,0.945 -53.582,1.479 -52.441,2.621 v1(-51.373,2.621) v1(-46.838,2.621) -46.503,2.286 -43.688,2.286 -35.052,10.922 v1(-35.052,11.557)
+9V: +V.1 BR1.1 C20.2 C21.1 R16.1 U4.3 | length 57.2
  Top Layer w0.3: R16.1@-82.689,23.5 -81.339,23.5 -79.688,25.151 +V.1@-79.629,25.151
  Top Layer w0.5: C21.1@-108.954,28.911 C21.1@-108.759,28.911 ; BR1.1@-97.372,31.471 -97.417,31.427 -98.946,31.427 -100.826,29.546 -108.124,29.546 C21.1@-108.759,28.911 ; U4.3@-72.97,23.959 -75.999,23.959 C20.2@-76.061,23.897 -76.061,23.855 -78.393,23.855 -79.688,25.151 -86.878,32.34 -94.349,32.34 -96.127,30.562 -98.794,30.562 -100.445,28.911 C21.1@-108.759,28.911
-5V: -5V.1 C7.1 C8.1 C13.1 C19.1 C25.2 C40.1 Q3.6 Q4.6 Q5.6 Q6.6 Q19.6 Q20.6 Q24.6 Q25.6 R38.1 U2.4 U3.7 U5.1 | length 144.3
  Top Layer w0.3: C7.1@-94.31,4.69 -93.966,5.034 -93.392,5.034 -93.164,5.263 v1(-93.116,5.263) -92.731,5.263 -92.562,5.094 Q3.6@-92.562,5.034 ; v1(-88.773,5.263) -88.323,5.263 -88.148,5.088 Q4.6@-88.148,5.04 ; U3.7@-80.94,14.562 -82.42,14.562 -82.626,14.356 C19.1@-82.626,12.274 -82.626,7.625 -82.393,7.391 -81.744,7.391 -80.899,6.546 v1(-80.899,5.415) ; U3.7@-80.559,14.562 U3.7@-80.535,14.586 ; R38.1@-60.032,8.438 -60.032,8.538 -59.832,8.738 -59.732,8.738 -59.174,9.296 -58.46,9.296 C13.1@-58.35,9.406 ; C8.1@-55.64,4.69 -55.295,5.035 -54.899,5.035 v1(-54.545,5.39) -54.061,5.39 -53.892,5.221 Q5.6@-53.892,5.034 ; v1(-50.216,5.39) -50.199,5.372 -49.653,5.372 -49.478,5.197 Q6.6@-49.478,5.04 ; Q19.6@-31.693,14.793 -31.64,14.74 -30.869,14.74 -30.607,14.478 v1(-30.607,13.843) -30.607,11.811 -30.799,11.619 -31.622,11.619 Q24.6@-31.623,11.618 ; Q20.6@-26.105,14.793 -26.052,14.74 -25.281,14.74 -25.019,14.478 v1(-25.019,13.843) -25.019,11.811 -25.211,11.619 ; Q25.6@-26.035,11.618 -26.034,11.619 -25.211,11.619 ; C40.1@-24.13,11.772 -24.283,11.619 -25.211,11.619
  Top Layer w0.508: v1(-91.505,25.711) U5.1@-90.032,25.711 -90.014,25.729 -87.777,25.729 -87.479,26.026 -87.479,26.041 -87.083,26.437 C25.2@-86.983,26.437 ; C25.2@-86.983,26.818 -5V.1@-84.697,26.818 ; C13.1@-58.35,9.406 -58.35,5.421 v1(-58.344,5.415)
  Top Layer w0.635: C13.1@-58.35,9.406 U2.4@-58.35,11.04
  Bottom Layer w0.3: v1(-58.344,5.415) -58.318,5.39 v1(-54.545,5.39) v1(-50.216,5.39) -46.44,5.39 -46.294,5.244 -41.954,5.244 -38.612,8.586 -38.612,8.742 -35.162,12.192 -32.258,12.192 v1(-30.607,13.843) v1(-25.019,13.843)
  Bottom Layer w0.635: v1(-91.505,25.711) -93.232,25.711 -95.377,23.566 -95.377,15.016 -96.172,14.221 -96.172,11.087 -97.476,9.783 -97.476,5.876 -96.863,5.263 v1(-93.116,5.263) v1(-88.773,5.263) -87.325,5.263 -86.538,6.05 -81.534,6.05 v1(-80.899,5.415) -80.898,5.416 -58.345,5.416 v1(-58.344,5.415)
-9V: -V.1 BR1.2 C23.2 C24.2 U5.2 U5.3 U5.6 U5.7 | length 56.4
  Top Layer w0.5: C23.2@-121.527,23.831 C23.2@-121.512,23.847 ; C24.2@-98.032,26.981 U5.7@-94.832,26.981 ; C24.2@-98.032,27.067 -98.098,27.133 -116.574,27.133 -119.861,23.847 C23.2@-121.512,23.847 ; BR1.2@-97.372,33.971 -100.084,33.971 -101.271,32.785 -108.002,32.785 -111.875,28.911 -116.447,28.911 C23.2@-121.512,23.847
AC24a: F2.2 Q14.5 Q14.6 Q14.7 Q14.8 Q16.5 Q16.6 Q16.7 Q16.8 R43.1 R45.2 RV1.2 | length 21.6
  Top Layer w0.3: -15.113,-0.508 -15.113,0.381 -15.016,0.478 -14.601,0.478 -14.401,0.678 R43.1@-14.401,0.7 ; R45.2@-8.208,0.478 -7.794,0.478 -7.697,0.381 -7.697,-0.508
  Top Layer w0.6: Q14.5@-14.656,-6.969 -12.357,-6.969 ; Q14.6@-14.656,-5.699 -12.373,-5.699 -12.357,-5.699 ; Q14.7@-14.656,-4.429 -12.357,-4.429 ; Q14.8@-14.656,-3.159 -12.357,-3.159 ; -10.579,-6.969 Q16.8@-8.28,-6.969 ; -10.579,-5.699 Q16.7@-8.28,-5.699 ; -10.579,-4.429 Q16.6@-8.28,-4.429 ; -10.579,-3.159 Q16.5@-8.28,-3.159
AC24b: F1.2 Q15.5 Q15.6 Q15.7 Q15.8 Q17.5 Q17.6 Q17.7 Q17.8 R42.1 R44.2 RV1.1 | length 39.9
  Top Layer w0.3: R42.1@-14.455,-0.712 R42.1@-14.355,-0.712 ; R42.1@-14.155,-0.49 -13.741,-0.49 -13.644,-0.393 -13.644,0.496 ; -9.12,0.508 -9.12,-0.381 -9.023,-0.478 R44.2@-8.608,-0.478 ; R44.2@-8.474,-0.947 R44.2@-8.408,-1.012
  Top Layer w0.6: Q15.5@-14.656,3.191 Q15.5@-14.606,3.191 -12.373,3.191 ; Q15.6@-14.656,4.461 Q15.6@-14.606,4.461 -12.373,4.461 ; Q15.7@-14.656,5.731 Q15.7@-14.606,5.731 v2@-12.373,5.731 ; Q15.8@-14.656,7.001 Q15.8@-14.606,7.001 -12.357,7.001 ; -10.579,7.001 Q17.5@-8.33,7.001 Q17.5@-8.28,7.001 ; -10.468,3.191 -9.08,3.191 Q17.8@-8.33,3.191 Q17.8@-8.28,3.191 ; -10.468,4.461 -10.287,4.461 Q17.7@-8.33,4.461 Q17.7@-8.28,4.461 ; v2@-10.468,5.731 -10.287,5.731 Q17.6@-8.33,5.731 Q17.6@-8.28,5.731 ; Q17.8@-9.08,3.191 Q17.8@-8.33,3.191 Q17.8@-8.28,3.191
  Bottom Layer w3: v2(-11.303,-13.127) v2(-11.303,3.891) v2(-11.303,4.907)
  other v2: -12.319,-15.159 -11.303,-15.159 -10.287,-15.159 -12.319,-14.143 -11.303,-14.143 -10.287,-14.143 -12.319,-13.127 -10.287,-13.127 -12.319,3.891 -10.287,3.891 -12.319,4.907 -10.287,4.907 -12.319,5.923 -11.303,5.923 -10.287,5.923
AC_REF: AC_REF.1 D11.3 R40.2 R41.2 U7.40 | length 27.1
  Top Layer w0.3: U7.40@-32.753,20.402 -32.753,19.118 -31.369,17.734 v1(-31.369,16.972) ; v1(-29.972,16.002) -24.257,16.002 -23.685,15.43 -23.685,13.525 -23.241,13.081 -21.844,13.081 -20.989,12.226 -20.774,12.226 R40.2@-20.574,12.026 R41.2@-19.431,12.026 ; D11.3@-19.431,13.511 R41.2@-19.431,12.026 ; AC_REF.1@-13.208,11.303 -13.931,12.026 R41.2@-19.431,12.026
  Bottom Layer w0.3: v1(-31.369,16.972) -30.399,16.002 v1(-29.972,16.002)
BIAS_En: R18.2 U7.48 | length 72.9
  Top Layer w0.3: R18.2@-87.058,10.419 -86.182,10.419 -85.682,9.919 -85.682,7.7 v1@-85.231,7.249 ; v1(-41.383,6.56) -41.381,6.56 -39.462,8.479 -39.462,12.512 -35.164,16.81 -32.347,16.81 -32.058,17.099 v1(-32.004,17.099) ; U7.48@-28.753,20.077 -28.3,20.077 -27.899,19.676 -27.899,19.048 -27.965,18.982 v1(-27.965,18.928)
  Bottom Layer w0.3: v1@-85.218,7.207 -85.186,7.175 -79.053,7.175 -78.74,6.863 -72.568,6.863 -72.009,6.304 -60.427,6.304 -59.8,6.931 -54.262,6.931 -53.162,8.031 -49.86,8.031 -48.387,6.558 -41.475,6.558 -41.473,6.56 v1(-41.383,6.56) ; v1(-32.004,17.099) -31.35,17.753 -28.81,17.753 -27.995,18.568 -27.995,18.899 v1(-27.965,18.928)
  other v1: -85.231,7.194
CH1_ACT: Q5.4 Q5.5 R10.2 | length 27.5
  Top Layer w0.3: Q5.4@-51.986,5.04 Q5.5@-52.936,5.04 -53.077,4.899 -53.077,4.27 -53.735,3.612 -54.305,3.612 -54.534,3.383 -54.534,1.972 -53.698,1.136 -53.698,-1.266 -53.522,-1.442 -51.742,-1.442 -51.169,-2.015 -51.169,-10.512 -51.55,-10.893 v1(-51.55,-10.948) ; v1(-51.55,-15.031) -51.538,-15.043 R10.2@-51.538,-17.911
  Bottom Layer w0.3: v1(-51.55,-15.031) v1(-51.55,-10.948)
CH1_BTN: R52.1 S3.2 U7.43 | length 56
  Top Layer w0.3: S3.2@-49.593,-15.333 -48.246,-15.333 -47.648,-14.735 -45.042,-14.735 -40.894,-10.587 -40.894,5.542 -38.608,7.828 -38.608,12.065 -34.798,15.875 -30.953,15.875 -30.129,16.699 ; U7.43@-31.253,20.402 -31.253,18.984 -30.129,17.86 -30.129,16.699 ; R52.1@-23.876,17.873 -23.876,17.226 -24.465,16.637 -30.067,16.637 -30.129,16.699
CH1_ID: P2.5 R13.1 R39.1 | length 24
  Top Layer w0.3: R13.1@-87.122,8.718 -87.031,8.627 v1(-86.209,8.627) ; v1(-84.049,8.615) -83.615,8.615 -83.202,8.202 -83.202,7.464 -82.702,6.964 -82.118,6.964 -81.553,6.399 -81.553,4.838 -80.213,3.499 -80.213,-0.529 -79.278,-1.464 -73.372,-1.464 -71.858,-2.978 P2.5@-71.858,-3.191
  Bottom Layer w0.3: v1(-86.209,8.627) -86.203,8.621 -84.055,8.621 v1(-84.049,8.615)
CH1_SB: D13.3 R51.1 U7.31 | length 14.4
  Top Layer w0.3: R51.1@-47.955,27.452 -46.325,27.452 -45.867,26.994 -45.592,26.994 -45.442,26.844 D13.3@-45.442,26.569 ; D13.3@-45.442,26.519 -45.292,26.369 -45.292,25.434 -44.115,24.257 -36.508,24.257 -36.503,24.252 U7.31@-35.603,24.252
CH1_SEL: R57.1 U7.33 | length 63.4
  Top Layer w0.3: v1(-58.129,-14.878) -58.129,-16.021 -56.822,-17.328 -56.822,-17.807 R57.1@-56.718,-17.911 ; v1(-58.104,-13.354) -45.504,-13.354 -42.337,-10.187 -42.337,8.544 -41.17,9.711 -41.17,13.375 v1(-36.195,18.35) ; v1(-39.116,20.066) -39.116,22.733 -38.597,23.252 U7.33@-35.553,23.252
  Bottom Layer w0.3: v1(-58.129,-14.878) -58.129,-13.38 v1(-58.104,-13.354) ; v1(-39.116,20.066) -37.911,20.066 v1(-36.195,18.35)